# Altium PCB ESP12_DEV_01.PcbDoc (continued)
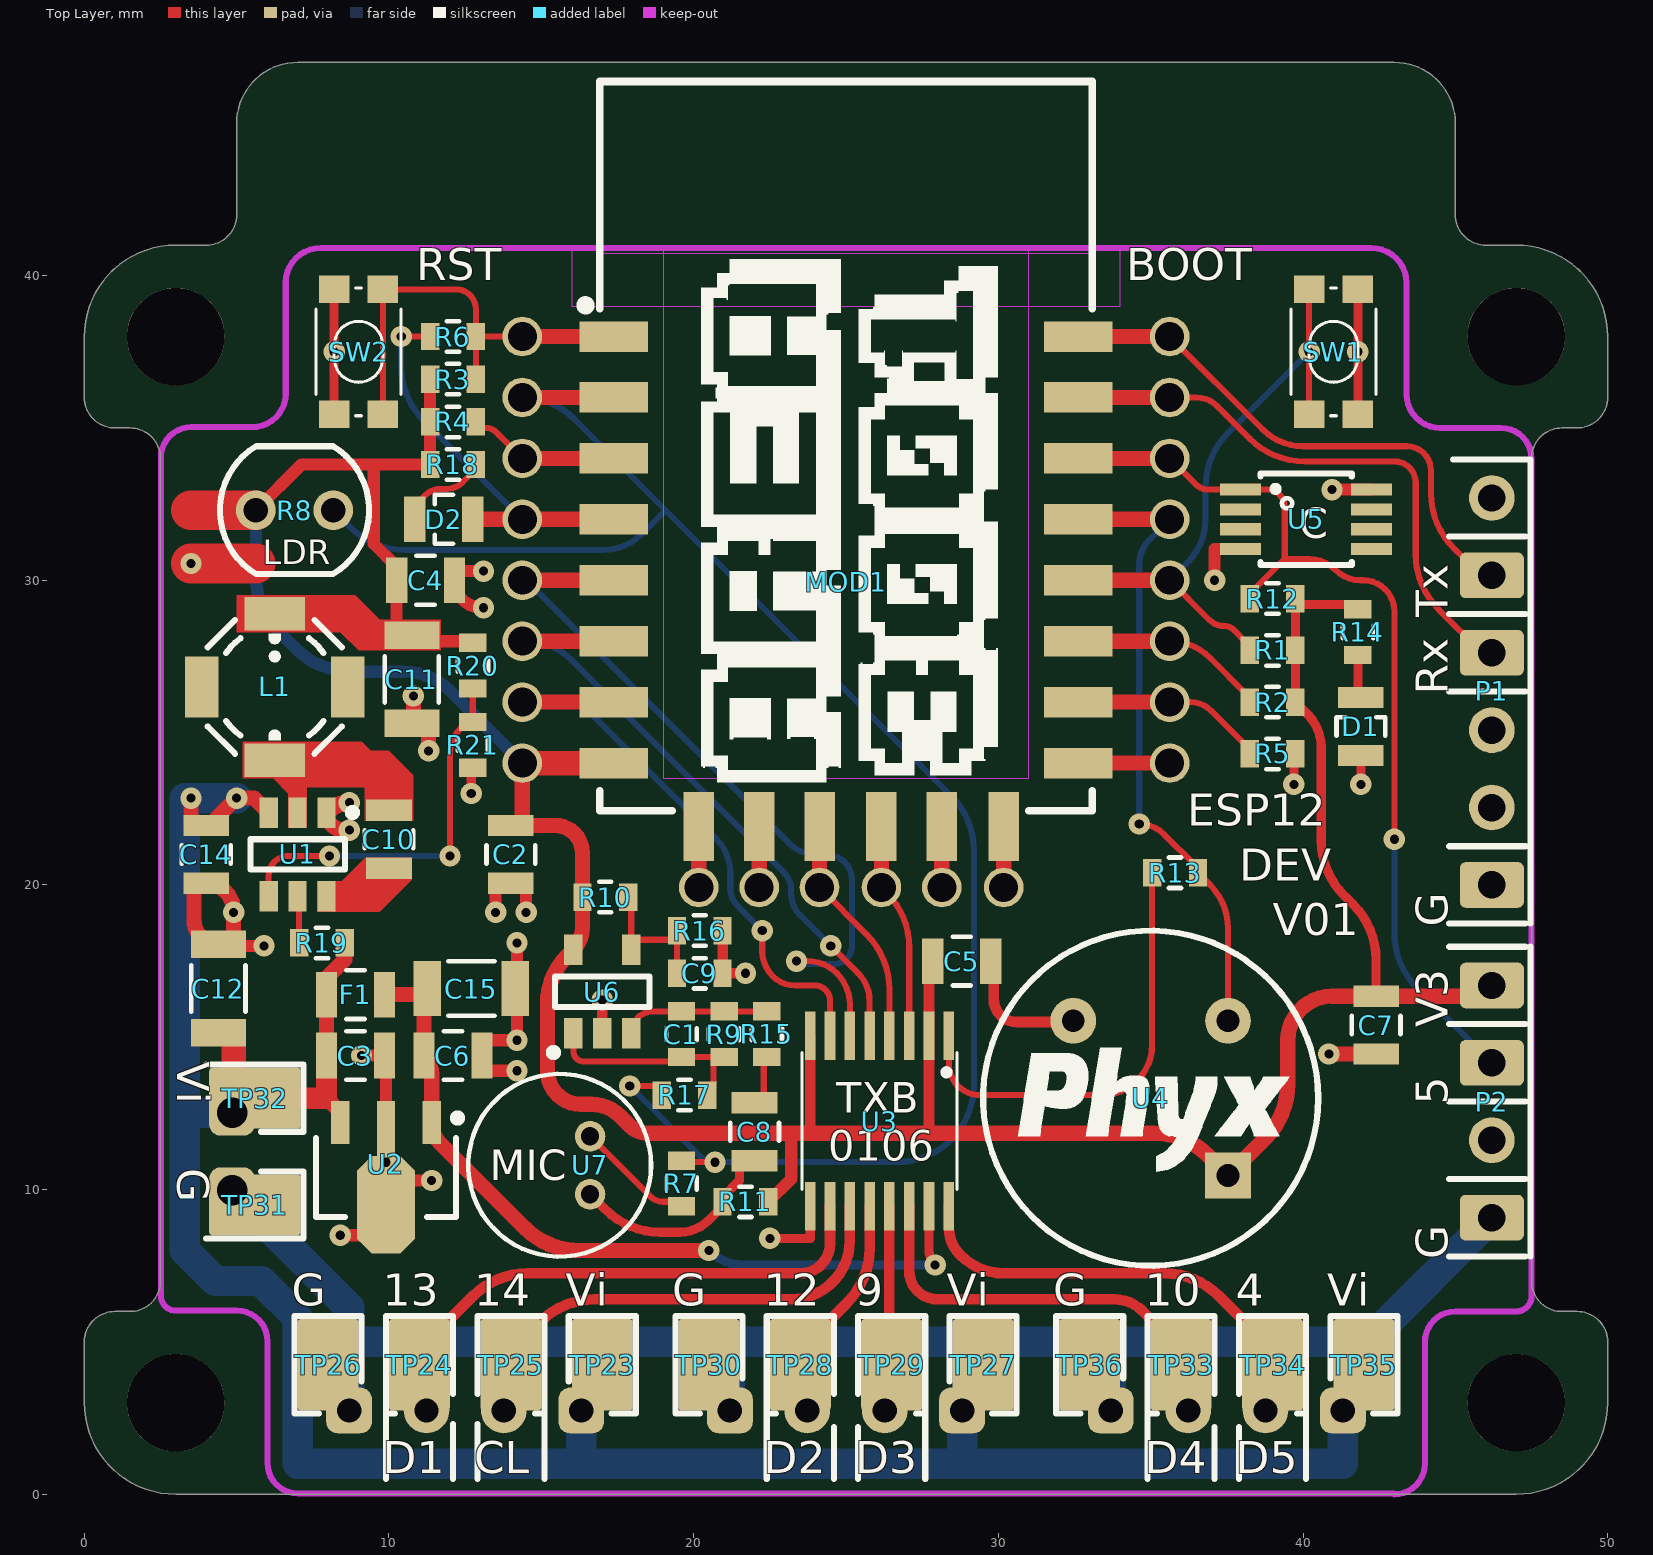
[diagram p0: Top Layer view]
## Part data
C1: library part "CAP # 12pF 50V 0402", "Capacitor Ceramic"
C2 C8: library part "CAP # 10uF 10V 0805", "Capacitor Ceramic"
C3 C4 C5 C6 C7 C10 C14: library part "CAP # 100nF 25V 0805", "Capacitor Ceramic"
C9: library part "CAP # 1uF 16V 0603", "Capacitor Ceramic"
C11 C12 C15: library part "CAP # 22uF 16V 1206 X5R", "Capacitor Ceramic"
D1 D2: library part "LED # Green 0805", "=Description"
F1: library part "FER # 80R 5A 0805 0R01"
L1: library part "IND # 3u3H 5.2x5.2mm"
MOD1: library part "WiFi # MOD ESP-12E", "=Description"
P1: library part "Pin Header 2.54mm 6way"
P2: library part "Pin Header 2.54mm 4way"
R1 R2 R3 R4 R5 R10 R12 R15 R16 R17 R19 R21: library part "RES # 10K 0603"
R6: library part "RES # 100R 0603"
R7: library part "RES # 4K7 0603"
R8: library part "LDR VT90N2", "=Description"
R9: library part "RES # 1M 0603"
R11: library part "RES # 2K2 0603"
R13: library part "RES # 0R 0603"
R14 R18: library part "RES # 1K 0603"
R20: library part "RES # 33K2 0603"
SW1 SW2: library part "SW # KMR4"
TP23 TP24 TP25 TP26 TP27 TP28 TP29 TP30 TP31 TP32 TP33 TP34 TP35 TP36: library part "TP # 2x3mm"
U1: library part "PWR # Buck TPS562209 2A", "=Description"
U2: library part "LDO # 5V 100mA", "LDO 5V 100mA"
U3: library part "LVL # 6ch TXB0104PW", "=Description"
U4: library part "PIR 5m PW EKMC1601113", "=Description"
U5: library part "TMP # DS18B20U", "=Description"
U6: library part "OP # OPA344", "=Description"
U7: library part "MIC ELEC KECG2742PBL", "=Description"

## Free pads (board coordinates)
  round 3.2 hole 3.2 unplated mask+1.25: 0(3,3) 0(3,38) 0(47,3) 0(47,38)
  round 1.3 hole 0.95 paste-5: 0(14.375,34) 0(14.375,24) 0(14.375,26) 0(14.375,28) 0(14.375,30) 0(14.375,32) 0(14.375,38) 0(14.375,36) 0(20.169,19.917) 0(22.15,19.917) 0(24.131,19.917) 0(26.163,19.917) 0(28.145,19.917) 0(30.177,19.917) 0(35.625,24) 0(35.625,26) 0(35.625,28) 0(35.625,30) 0(35.625,32) 0(35.625,34) 0(35.625,36) 0(35.625,38)
  rrect25% 2.1x1.5 smd paste-5: 1(46.2,9.08) 1(46.2,14.16) 1(46.2,16.7) 1(46.2,20) 1(46.2,27.62) 1(46.2,30.16)
  rrect50% 1.5x1.5 hole 0.8: 2(8.69,2.75) 2(21.19,2.75) 2(33.69,2.75) 5(16.31,2.75) 5(28.81,2.75) 5(41.31,2.75)
  rrect50% 1.5x1.5 hole 1: 3(4.85,12.52) 4(4.85,9.98)
  round 1.5 hole 0.8: 3(11.23,2.75) 3(23.73,2.75) 3(36.23,2.75) 4(13.77,2.75) 4(26.27,2.75) 4(38.77,2.75)

## Via types
v1: diameter 0.7, hole 0.3, Top Layer to Bottom Layer, 44 vias

## Nets (pads, with @x,y where several pads share a name; then routed paths per layer and width w, separated by ;. In a path a pad name is that pad's centre, name@x,y a point inside that pad or via, vN(x,y) a via of type N, cw(c..) or ccw(c..) an arc to the next point about the centre after c; other vN are vias at no path point)
3V3: C2.1 C4.1 C5.1 C7.1 C11.1 L1.2 MOD1.8 P2.1 pad.0@14.375,24 pad.1@46.2,16.7 R1.1 R2.1 R3.1 R4.1 R8.1 R10.2 R11.1 R12.1 R14.1 R18.1 R20.1 U3.2 U3.8 U4.1 U6.5 | length 112.8
  Top Layer w0.3: R12.1 39.75,29.25 39.7,29.2 R12.1@39.75,29.2 ; R14.1 41.65,29.2 R12.1@39.75,29.2 ; C7.1 42.4,17.548 ccw(c39.86,17.548) 41.656,19.344 41.344,19.656 cw(c43.14,21.452) 40.6,21.452 40.6,24.5 ccw(c39.031,24.5) 40.141,25.609 R2.1 R1.1 R12.1@39.75,29.2
  Top Layer w0.35: 23.825,11.85 U3.8 ; 27.725,11.85 U3.2 27.725,17.125 C5.1@28,17.4
  Top Layer w0.4: R8.1 7.13,33.8 9.5,33.8 ; C11.1@10.8,28.1 10.8,28.25 C11.1 10.55,28.4 10.3,28.4 10.25,28.45 C4.1 10.25,30.45 9.5,31.2 9.5,33.8 ; C11.1@10.9,28 12.7,28 R20.1 ; R3.1 R4.1 R18.1 9.5,33.8 ; R11.1 23.2,10.35 23.2,11.85
  Top Layer w0.5: C2.1 C2.1@14.375,21.95 ; pad.0@14.375,24 C2.1@14.375,21.95 ; 17.6,12.4 17.9,12.1 ccw(c18.504,12.704) 18.504,11.85 23.2,11.85 23.825,11.85 27.725,11.85 35.098,11.85 cw(c35.098,9.31) 36.894,11.106 U4.1 38.756,11.676 ccw(c36.96,13.472) 39.5,13.472 39.5,14.9 cw(c40.95,14.9) 39.737,15.695 cw(c40.95,14.9) 40.95,16.35 C7.1 45.85,16.35 P2.1 ; 17.599,12.401 ccw(c16.634,11.434) 16.634,12.8 16.3,12.8 cw(c16.3,13.9) 15.2,13.9 15.2,16.1 cw(c17.433,16.1) 15.854,17.679 U6.5 ccw(c15.326,18.599) 16.35,18.599 R10.2 16.35,21.05 ccw(c15.45,21.05) 15.45,21.95 C2.1@14.375,21.95
  Top Layer w0.8: pad.0@14.375,24 MOD1.8
  Top Layer w1.3: 3.5,32.3 R8.1
  Bottom Layer w0.4: R8.1 5.63,30.122 ccw(c8.17,30.122) 6.374,28.326 6.956,27.744 ccw(c8.752,29.54) 8.752,27 10.473,27 cw(c10.473,24.823) 12.013,26.362 pad.0@14.375,24
5V: C6.1 C15.1 F1.2 U2.1 U3.15 | length 26.4
  Top Layer w0.3: C15.1@11.05,16.4 C15.1 C15.1@11.15,16.5 ; U3.15 27.725,8.008 ccw(c28.408,8.008) v1(27.925,7.525)
  Top Layer w0.5: F1.2 C15.1@11.05,16.4 ; C15.1@11.15,16.5 C6.1 cw(c10.546,13.796) 11.4,13.796 U2.1 ccw(c12.366,12.2) 11.683,11.517 14.456,8.744 ccw(c16.252,10.54) 16.252,8 v1(20.5,8)
  Bottom Layer w0.3: v1(20.5,8) ccw(c21.647,9.147) 21.647,7.525 v1(27.925,7.525)
ADC: MOD1.2 pad.0@14.375,36 R7.1 R8.2 R17.1 | length 60.1
  Top Layer w0.2: v1(17.9,13.4) 18.95,13.4 R17.1 ; R7.1 ccw(c19.65,10.95) 19.65,10.9 v1(20.7,10.9)
  Top Layer w0.5: pad.0@14.375,36 MOD1.2
  Bottom Layer w0.2: R8.2 8.726,31.744 ccw(c10.522,33.54) 10.522,31 17.068,31 ccw(c17.068,32.707) 18.274,31.499 ; pad.0@14.375,36 cw(c14.375,33.586) 16.082,35.293 17.5,33.875 19.075,32.3 ; v1(17.9,13.4) 20.188,11.112 ccw(c20.7,11.624) v1(20.7,10.9) 26.66,10.9 ccw(c26.66,13.44) 29.2,13.44 29.2,21.123 ccw(c26.66,21.123) 28.456,22.919 19.075,32.3 ; 18.275,31.5 19.075,32.3
EN: MOD1.3 pad.0@14.375,34 R4.2 | length 5
  Top Layer w0.2: R4.2 12.953,35.097 ccw(c13.188,35.332) 13.188,35 cw(c13.188,34.547) 13.507,34.868 13.6,34.775 pad.0@14.375,34
  Top Layer w0.5: pad.0@14.375,34 MOD1.3
FTDI.C\T\S\: P1.2
FTDI.R\T\S\: P1.6
FTDI.RXD: MOD1.22 P1.5 pad.0@35.625,38 pad.1@46.2,30.16 | length 17.8
  Top Layer w0.2: pad.0@35.625,38 38.677,34.948 ccw(c40,36.271) 40,34.4 43.4,34.4 cw(c43.4,33.6) 44.2,33.6 44.2,32.852 ccw(c46.74,32.852) 44.944,31.056 45.3,30.7 45.66,30.7 P1.5
  Top Layer w0.5: MOD1.22 pad.0@35.625,38
FTDI.TXD: MOD1.21 P1.4 pad.0@35.625,36 pad.1@46.2,27.62 | length 18.9
  Top Layer w0.2: pad.0@35.625,36 36.5,36 cw(c36.5,35.034) 37.182,35.718 38.256,34.644 ccw(c40.052,36.44) 40.052,33.9 43,33.9 cw(c43,33.2) 43.7,33.2 43.7,30.852 ccw(c46.24,30.852) 44.444,29.056 45.88,27.62 P1.4
  Top Layer w0.5: MOD1.21 pad.0@35.625,36
FTDI.VCC: P1.3
GND: C2.2 C3.2 C4.2 C5.2 C6.2 C7.2 C9.2 C11.2 C12.2 C14.1 C15.2 D1.2 MOD1.15 P1.1 P2.4 pad.0@35.625,24 pad.1@46.2,9.08 pad.1@46.2,20 pad.2 pad.4@4.85,9.98 R5.2 R7.2 R16.1 R21.1 SW1.2 SW2.2 TP26.1 TP30.1 TP31.1 TP36.1 U1.1 U2.2 U3.9 U4.3 U5.4 U5.8 U6.2 U7.2 | length 118.6
  Top Layer w0.2: U7.2 18.573,9.777 ccw(c19,10.204) 18.876,9.613 ccw(c19,10.204) 19,9.6 19.238,9.6 cw(c19.238,9.088) R7.2
  Top Layer w0.3: SW2.2@8.2,35.45 SW2.2@8.2,39.55 ; v1(12.7,23) R21.1@12.7,23.85 ; v1(22.5,8.4) 23.825,8.4 U3.9 U3.9@23.825,9.6 ; v1(39.7,23.3) 39.7,24.25 R5.2 ; SW1.2@41.8,35.45 SW1.2@41.8,39.55 ; v1(41.9,23.3) D1.2
  Top Layer w0.35: U6.2 v1(17,16.225) ; R16.1 C9.2 v1(21.7,17.1) ; C5.2@29.85,17.5 29.85,16.25 ccw(c30.6,16.25) 30.6,15.5 ; 30.7,15.5 32.42,15.5 ccw(c32.42,15.54) U4.3
  Top Layer w0.4: C12.2 4.45,18 v1(5.9,18) ; v1(8.4,8.5) 9.9,8.5 9.9,9.5 9.9,10.3 v1(11.4,10.3) ; v1(9.1,14.4) C3.2 9.9,14.4 U2.2@9.9,12 ; v1(13.1,29.1) 13.05,29.1 cw(c13.05,30) C4.2 12.15,30.3 v1(13.1,30.3) ; v1(13.5,19.1) 13.5,20.05 C2.2 ; C15.2 C15.2@14.2,16.6 ; v1(14.2,13.9) 13.05,13.9 C6.2 13.05,14.9 v1(14.2,14.9) C15.2@14.2,16.6 ; v1(14.2,18.1) C15.2@14.2,16.6 ; v1(14.5,19.1) C2.2@14.5,20.05 ; v1(37.1,30) 37.1,31.025 U5.4 ; v1(40.95,32.975) U5.8
  Top Layer w0.5: U1.1 ccw(c8.525,22.375) 8.525,21.8 v1(8.7,21.8) ; C11.2 C11.2@10.8,25.3 ; v1(10.8,26.2) C11.2@10.8,25.3 ; v1(11.3,24.4) 11.3,25.3 C11.2@10.8,25.3 ; MOD1.15 pad.0@35.625,24 ; v1(40.85,14.45) C7.2 ; 3.6,18.85 ccw(c4.4,18.85) C12.2 4.9,18.05 v1(4.9,19.1) 4.9,19.15 ccw(c4,19.15) C14.1 3.6,20.05 3.6,18.85
  Top Layer w0.55: U1.1 7.974,22.399 cw(c8.7,21.674) v1(8.7,22.7)
  Top Layer w1.3: v1(3.5,30.55) 5.63,30.55
  Bottom Layer w1: pad.4@4.85,9.98 8.69,6.14 pad.2@8.69,2.75 ; 8.69,5 21.19,5 ; pad.2@21.19,2.75 21.19,5 ; pad.2@33.69,2.75 33.69,5 ; P2.4 42.12,5 33.69,5 ; 21.19,5 33.69,5
  other v1: 9.9,10.9 8.2,37.5 41.8,37.5
GPIO0: MOD1.18 pad.0@35.625,30 R1.2 SW1.1 | length 19.9
  Top Layer w0.2: pad.0@35.625,30 36.931,28.694 ccw(c37.4,29.164) 37.4,28.5 cw(c37.4,28.017) 37.741,28.359 38.144,27.956 cw(c37.888,27.7) R1.2 ; SW1.1@40.2,35.45 v1(40.2,37.5) SW1.1@40.2,39.55
  Top Layer w0.5: MOD1.18 pad.0@35.625,30
  Bottom Layer w0.2: pad.0@35.625,30 36.217,30.592 ccw(c34.808,32) 36.8,32 36.8,33.048 cw(c39.34,33.048) 37.544,34.844 v1(40.2,37.5)
GPIO2: MOD1.17 pad.0@35.625,28 R2.2 | length 6.4
  Top Layer w0.2: pad.0@35.625,28 cw(c35.625,26.129) 36.948,27.452 38.144,26.256 cw(c37.888,26) R2.2
  Top Layer w0.5: MOD1.17 pad.0@35.625,28
GPIO4: MOD1.19 pad.0@35.625,32 R13.2 U4.2 | length 21.2
  Top Layer w0.2: v1(34.625,22) cw(c34.625,20.853) 34.627,22 cw(c34.625,20.853) 35.436,21.664 36.444,20.656 cw(c36.188,20.4) R13.2 36.95,20 cw(c35.526,18.576) 37.54,18.576 U4.2
  Top Layer w0.5: MOD1.19 pad.0@35.625,32
  Bottom Layer w0.2: v1(34.625,22) 34.625,30.5 cw(c35.832,30.5) 34.978,31.353 pad.0@35.625,32
GPIO5: MOD1.20 P2.2 pad.0@35.625,34 pad.1@46.2,14.16 R12.2 U5.1 | length 31.4
  Top Layer w0.2: pad.0@35.625,34 36.473,33.152 ccw(c36.9,33.579) 36.9,32.975 U5.1 38.825,32.975 cw(c38.825,32.4) 39.4,32.4 39.4,30.7 ; R12.2 38.25,29.55 39.4,30.7 ; 42.7,29.7 ccw(c41.976,28.976) 41.976,30 41.895,30 cw(c41.895,31.195) 41.05,30.35 ccw(c40.205,29.505) 40.205,30.7 39.4,30.7 ; 42.7,29.7 cw(c41.976,28.976) 43,28.976 v1(43,21.5)
  Top Layer w0.5: MOD1.20 pad.0@35.625,34
  Bottom Layer w0.2: v1(43,21.5) 43,18.412 ccw(c45.54,18.412) 43.744,16.616 P2.2
GPIO9: MOD1.11 pad.0@24.131,19.917 U3.4 | length 7.7
  Top Layer w0.2: pad.0@24.131,19.917 25.681,18.368 cw(c23.885,16.572) 26.425,16.572 U3.4
  Top Layer w0.5: pad.0@24.131,19.917 MOD1.11
GPIO10: MOD1.12 pad.0@26.163,19.917 U3.3 | length 7.1
  Top Layer w0.2: pad.0@26.163,19.917 26.331,19.75 cw(c24.535,17.954) 27.075,17.954 27.075,15.963 U3.3
  Top Layer w0.5: pad.0@26.163,19.917 MOD1.12
GPIO16: D2.2 MOD1.4 pad.0@14.375,32 R6.2 | length 13.2
  Top Layer w0.2: v1(10.4,38) R6.2
  Top Layer w0.5: D2.2@12.75,32.1 12.85,32 14.375,32 MOD1.4
  Bottom Layer w0.2: v1(10.4,38) 10.4,37.027 ccw(c12.94,37.027) 11.144,35.231 pad.0@14.375,32
HSPI.CLK: MOD1.5 pad.0@14.375,30 U3.6 | length 25.9
  Top Layer w0.2: v1(23.375,17.5) 23.734,17.5 cw(c23.734,16.134) 24.7,17.1 cw(c23.674,16.074) 25.125,16.074 U3.6
  Top Layer w0.5: pad.0@14.375,30 MOD1.5
  Bottom Layer w0.2: pad.0@14.375,30 14.5,30 23.146,21.354 ccw(c24,22.207) 24,21 24.346,21 cw(c24.346,20.146) 24.949,20.751 ; v1(23.375,17.5) 23.475,17.4 24.6,17.4 ccw(c24.6,18) 25.2,18 25.2,20.146 ccw(c24.346,20.146) 24.95,20.75
HSPI.CS: MOD1.16 pad.0@35.625,26 R5.1 | length 6.4
  Top Layer w0.2: pad.0@35.625,26 36.3,26 cw(c36.3,25.034) 36.982,25.718 ; 36.983,25.717 38.25,24.45 R5.1
  Top Layer w0.5: MOD1.16 pad.0@35.625,26
HSPI.MISO: MOD1.6 pad.0@14.375,28 U3.5 | length 21
  Top Layer w0.2: v1(24.5,18) 25.4,17.1 cw(c24.495,16.195) 25.775,16.195 U3.5
  Top Layer w0.5: pad.0@14.375,28 MOD1.6
  Bottom Layer w0.2: pad.0@14.375,28 14.491,28 cw(c14.491,25.866) 16,27.375 22.935,20.44 cw(c22.295,19.8) 23.2,19.8 23.2,19.724 ccw(c24.224,19.724) 23.5,19 v1(24.5,18)
HSPI.MOSI: MOD1.7 pad.0@14.375,26 U3.7 | length 19.7
  Top Layer w0.2: v1(22.25,18.5) 22.25,17.845 ccw(c23.445,17.845) 22.6,17 ccw(c23.324,17.724) 23.324,16.7 23.975,16.7 cw(c23.975,16.2) 24.475,16.2 U3.7
  Top Layer w0.5: pad.0@14.375,26 MOD1.7
  Bottom Layer w0.2: pad.0@14.375,26 15.5,26 cw(c15.5,24.189) 16.78,25.47 20.74,21.51 ; 20.741,21.509 cw(c19.631,20.4) 21.2,20.4 21.2,19.9 ccw(c22.045,19.9) 21.447,19.303 v1(22.25,18.5)
NetC1_1: C1.1 R9.1 R17.2 U6.1 | length 6.8
  Top Layer w0.2: U6.1 16.05,14.55 ccw(c16.4,14.55) 16.4,14.2 19.45,14.2 ccw(c19.45,14.35) C1.1 20.65,14.35 20.65,13.45 R17.2@20.5,13.3 ; R9.1@20.75,14.35 R9.1
NetC1_2: C1.2 R9.2 R15.1 U6.3 | length 4.9
  Top Layer w0.2: U6.3 cw(c18.675,15.125) 18.675,15.85 C1.2 R9.2 R15.1
NetC8_1: C8.1 R15.2 | length 1.3
  Top Layer w0.2: C8.1@22.3,13.15 22.3,14.25 cw(c22.4,14.25) R15.2
NetC8_2: C8.2 R11.2 U7.1 | length 7.5
  Top Layer w0.3: U7.1 17.106,9.344 ccw(c18.902,11.14) 18.902,8.6 19.534,8.6 ccw(c19.534,9.966) 20.5,9 20.844,9.344 ccw(c20.588,9.6) R11.2 20.95,9.75 21.5,10.3 21.5,10.901 22.017,10.901 cw(c22.3,10.105) C8.2@22.3,10.95
NetC9_1: C9.1 R10.1 R16.2 U6.4 | length 4.4
  Top Layer w0.2: R10.1 17.95,19.5 U6.4@17.95,18.2 ; U6.4 U6.4@17.95,18.2 ; C9.1 19.45,18.2 U6.4@17.95,18.2
NetC10_1: C10.1 L1.1 U1.2
NetC10_2: C10.2 U1.6
NetD1_1: D1.1 R14.2 | length 1.3
  Top Layer w0.3: D1.1@41.8,26.25 R14.2
NetD2_1: D2.1 R18.2 | length 2.9
  Top Layer w0.2: D2.1@10.85,32.1 10.85,32.45 11.2,32.8 cw(c11.683,32.317) 11.683,33 11.9,33 ccw(c11.9,33.724) 12.412,33.212 12.85,33.65 R18.2
NetR13_1: R13.1 U3.1 | length 15.3
  Top Layer w0.2: U3.1@28.35,15.55 28.35,15.075 U3.1 28.375,14.125 ccw(c29.4,14.125) 28.4,13.9 ccw(c29.4,14.125) 29.175,13.125 ccw(c29.4,14.125) 29.4,13.1 33.4,13.1 ccw(c33.4,14.75) 35.05,14.75 R13.1
NetR19_1: R19.1 U1.5 | length 1.5
  Top Layer w0.2: U1.5 7.05,19.575 R19.1
NetR20_2: R20.2 R21.2 U1.4 | length 12.8
  Top Layer w0.2: U1.4 6.05,20.3 cw(c6.7,20.3) 6.074,20.474 cw(c6.7,20.3) 6.526,20.926 cw(c6.7,20.3) 6.7,20.95 v1(8.05,20.95) ; v1(12,20.95) 12,24.3 cw(c13.207,24.3) 12.353,25.153 R21.2@12.409,25.209 ; R21.2@12.409,25.209 cw(c12.75,24.867) R21.2 ; R21.2@12.65,25.45 12.75,25.55 R20.2
  Bottom Layer w0.2: v1(8.05,20.95) v1(12,20.95)
R\S\T\: MOD1.1 pad.0@14.375,38 R3.2 R6.1 SW2.1 | length 14.6
  Top Layer w0.2: SW2.1@10,35.25 9.8,35.45 9.8,39.55 12.2,39.55 cw(c12.2,38.9) 12.85,38.9 R6.1 ; R3.2 R6.1 ; pad.0@14.375,38 R6.1
  Top Layer w0.5: pad.0@14.375,38 MOD1.1
SPI.CLK: MOD1.14 pad.0@30.177,19.917 | length 2
  Top Layer w0.5: pad.0@30.177,19.917 MOD1.14
SPI.INT: MOD1.13 pad.0@28.145,19.917 | length 2
  Top Layer w0.5: pad.0@28.145,19.917 MOD1.13
SPI.MISO: MOD1.10 pad.0@22.15,19.917 | length 2
  Top Layer w0.5: pad.0@22.15,19.917 MOD1.10
SPI.MOSI: MOD1.9 pad.0@20.169,19.917 | length 2
  Top Layer w0.5: pad.0@20.169,19.917 MOD1.9
STR1.CLK: pad.4@13.77,2.75 TP25.1 U3.11 | length 14.3
  Top Layer w0.35: TP25.1 cw(c15.086,4.25) 14.318,5.018 14.956,5.656 cw(c16.752,3.86) 16.752,6.4 23.2,6.4 ccw(c23.2,8.325) 25.125,8.325 U3.11
STR1.DAT: pad.3@11.23,2.75 TP24.1 U3.10 | length 16.7
  Top Layer w0.35: TP24.1 11,4.75 12.756,6.506 cw(c14.552,4.71) 14.552,7.25 23.5,7.25 ccw(c23.5,8.225) 24.475,8.225 U3.10
STR2.DAT: pad.3@23.73,2.75 TP28.1 U3.12 | length 6
  Top Layer w0.35: TP28.1 23.5,4.75 25.031,6.281 ccw(c23.235,8.077) 25.333,6.646 ccw(c23.235,8.077) 25.775,8.077 U3.12
STR3.DAT: pad.4@26.27,2.75 TP29.1 U3.13 | length 5.2
  Top Layer w0.35: U3.13 26.425,4.431 ccw(c26.681,4.431) TP29.1
STR4.DAT: pad.3@36.23,2.75 TP33.1 U3.14 | length 12.5
  Top Layer w0.35: U3.14 27.075,7.325 ccw(c28,7.325) 28,6.4 33.793,6.4 cw(c33.793,5.055) 34.744,6.006 35.753,4.997 cw(c35.155,4.4) TP33.1@36,4.4
STR5.DAT: pad.4@38.77,2.75 TP34.1 U3.16 | length 13.5
  Top Layer w0.35: U3.16 28.375,8.755 ccw(c29.655,8.755) 28.75,7.85 ccw(c30.199,9.299) 30.199,7.25 35.448,7.25 cw(c35.448,4.71) 37.244,6.506 38.646,5.104 cw(c37.793,4.25) TP34.1
VIN: C3.1 C12.1 C14.2 F1.1 pad.3@4.85,12.52 pad.5 R19.2 TP23.1 TP27.1 TP32.1 TP35.1 U1.3 U2.3 | length 82.4
  Top Layer w0.5: v1(3.5,22.85) 3.5,21.95 C14.2 4.1,21.95 v1(5,22.85) 5.575,22.85 U1.3 ; 7.95,13 8.4,12.55 U2.3 ; C3.1 F1.1 7.95,16.95 8.55,17.55 R19.2
  Top Layer w0.7: TP32.1 7.95,13 C3.1
  Top Layer w0.8: C12.1 4.9,15.15 TP32.1@4.9,13
  Bottom Layer w1: pad.3@4.85,12.52 3.3,12.52 ; v1(5,22.85) 3.3,22.85 3.3,12.52 ; pad.5@16.31,2.75 16.31,1 ; pad.5@28.81,2.75 28.81,1 ; pad.5@41.31,2.75 41.31,1 28.81,1 ; 3.3,12.52 3.3,8 4.3,7 5.8,7 7,5.8 7,1 16.31,1 ; 16.31,1 28.81,1
pads on no net: L1.3 L1.4 P2.3 U5.2 U5.3 U5.5 U5.6 U5.7

## Polygon pours and split planes (outlines as drawn)
GND on Bottom Layer "B_GND" (solid, remove dead copper, pour order 2): 0,0 0,47 50,47 50,29 50,0

## Keep-outs
Top Layer:
  rectangle: 19,23.5 31,40.905
  rectangle: 16,39 34,40.91
Keep-Out Layer:
  lines w0.2: 2.51,6.525 ccw(c3.01,6.525) 3.01,6.025 5.01,6.025 cw(c5.01,5.025) 6.01,5.025 6.01,1.025 ccw(c7.01,1.025) 7.01,0.025 42.975,0.025 cw(c42.975,0) 43,0 ccw(c43,1) 44,1 44,5 cw(c45,5) 45,6 47,6 ccw(c47,6.5) 47.5,6.5 47.5,34 ccw(c46.5,34) 46.5,35 44.5,35 cw(c44.5,36.1) 43.4,36.1 43.4,39.754 ccw(c42.254,39.754) 43.064,40.564 ccw(c42.23,39.73) 42.23,40.91 7.77,40.91 ccw(c7.77,39.73) 6.936,40.564 ccw(c7.72,39.78) 6.611,39.78 6.611,36.126 cw(c5.51,36.126) 5.51,35.025 3.51,35.025 ccw(c3.51,34.025) 2.51,34.025 2.51,6.525
  text ".Layer_Name" at 305.5,-23 h3.5

## Other copper
Top Layer:
  region net 3V3: 5,29.5 5,28.3 8.4,28.3 9,27.7 11.7,27.7 11.7,28.7 9.7,28.7 8.9,29.5
  region net NetC10_1: 7.3,21.9 7.3,23.2 9.2,23.2 9.2,22.1 10.8,22.1 10.8,23.6 10,24.4 9.4,24.4 9.1,24.7 5.2,24.7 5.2,23.5 6.2,23.5 6.7,23 6.7,21.9
  region net NetC10_2: 7.65,20.125 8.45,20.125 9.225,20.9 10.75,20.9 10.75,20.175 9.7,19.125 7.65,19.125
  text ".Layer_Name" at 305.5,-23 h3.5
Bottom Layer:
  text ".Layer_Name" at 305.5,-23 h3.5

## Silkscreen, mask and mechanical layers (free items; w line width, h text height)
Top Overlay:
  drawing of 36 lines, arcs and shapes, not listed
  text "RST" at 10.9,39.5 h1.8
  text "BOOT" at 34.2,39.5 h1.8
  text "C" at 39.875,31.375 h1
  text "LDR" at 5.85,30.525 h0.8
  text "Tx" at 45.1,28.79 h1.8 r90
  text "Rx" at 45.1,26.25 h1.8 r90
  text "ESP12" at 36.2,21.6 h1.8
  text "DEV" at 37.9,19.8 h1.8
  text "G" at 45.1,18.63 h1.8 r90
  text "V01" at 39,18 h1.8
  text "V3" at 45.1,15.33 h1.8 r90
  text "Vi" at 2.7,14.2 h1.8 r270
  text "5" at 45.1,12.79 h1.8 r90
  text "TXB" at 24.675,12.525 h1
  text "0106" at 24.425,10.95 h1
  text "G" at 2.7,10.7 h1.8 r270
  text "MIC" at 13.3,10.3 h1
  text "G" at 45.1,7.71 h1.8 r90
  text "G" at 6.8,5.85 h1.8
  text "13" at 9.8,5.85 h1.8
  text "14" at 12.8,5.85 h1.8
  text "Vi" at 15.8,5.85 h1.8
  text "G" at 19.3,5.85 h1.8
  text "12" at 22.3,5.85 h1.8
  text "9" at 25.3,5.85 h1.8
  text "Vi" at 28.3,5.85 h1.8
  text "G" at 31.8,5.85 h1.8
  text "10" at 34.8,5.85 h1.8
  text "4" at 37.8,5.85 h1.8
  text "Vi" at 40.8,5.85 h1.8
  text "D1" at 9.8,0.35 h1.8
  text "CL" at 12.8,0.35 h1.8
  text "D2" at 22.3,0.35 h1.8
  text "D3" at 25.3,0.35 h1.8
  text "D4" at 34.8,0.35 h1.8
  text "D5" at 37.8,0.35 h1.8
  text ".Layer_Name" at 305.5,-23 h3.5
Bottom Overlay:
  text "RST" at 20.575,37.525 h1.8
  text "Tx" at 33.95,37.525 h1.8
  text "ADC" at 20.575,35.525 h1.8
  text "Rx" at 33.95,35.525 h1.8
  text "EN" at 19.325,33.525 h1.8
  text "05" at 33.95,33.525 h1.8
  text "-" at 44.625,32.225 h1.8
  text "16" at 19.325,31.525 h1.8
  text "04" at 33.95,31.525 h1.8
  text "Tx" at 44.625,29.685 h1.8
  text "14" at 19.325,29.525 h1.8
  text "00" at 33.95,29.525 h1.8
  text "12" at 19.325,27.525 h1.8
  text "02" at 33.95,27.525 h1.8
  text "Rx" at 44.625,27.145 h1.8
  text "13" at 19.325,25.525 h1.8
  text "15" at 33.95,25.525 h1.8
  text "-" at 44.625,24.605 h1.8
  text "3V3" at 20.575,23.525 h1.8
  text "GND" at 33.95,23.525 h1.8
  text "-" at 44.625,22.065 h1.8
  text "-" at 19.694,21.592 h1.8 r270
  text "-" at 21.675,21.592 h1.8 r270
  text "09" at 23.656,21.592 h1.8 r270
  text "10" at 25.688,21.592 h1.8 r270
  text "-" at 27.67,21.592 h1.8 r270
  text "-" at 29.702,21.592 h1.8 r270
  text "GND" at 44.625,19.525 h1.8
  text "3V3" at 44.625,16.225 h1.8
  text "05" at 44.625,13.685 h1.8
  text "12V" at 10.275,12.045 h1.8
  text "-" at 44.625,11.145 h1.8
  text "GND" at 10.35,9.505 h1.8
  text "GND" at 44.625,8.605 h1.8
  text "13" at 10.755,5.925 h1.8 r270
  text "14" at 13.295,5.925 h1.8 r270
  text "12" at 23.255,5.925 h1.8 r270
  text "09" at 25.795,5.925 h1.8 r270
  text "10" at 35.755,5.925 h1.8 r270
  text "04" at 38.295,5.925 h1.8 r270
  text ".Layer_Name" at 305.5,-23 h3.5
Top Paste:
  text ".Layer_Name" at 305.5,-23 h3.5
Bottom Paste:
  text ".Layer_Name" at 305.5,-23 h3.5
Top Solder:
  region: 48.5,7 47.5,7 47.5,5.5 48.5,5.5
  rectangle: 1.5,5.5 2.5,7
  region: 6,1 cw(c5,1) 5,0 1,0 cw(c1,1) 0,1 0,5 cw(c1,5) 1,6 5,6 cw(c5,5) 6,5
  region: 50,1 cw(c49,1) 49,0 45,0 cw(c45,1) 44,1 44,5 cw(c45,5) 45,6 49,6 cw(c49,5) 50,5
  region: 6.5,36.54 6.5,40.5 ccw(c5,40.5) 5,42 cw(c4,42) 4,41 1,41 ccw(c1,40) 0,40 0,36 ccw(c1,36) 1,35 1.5,35 cw(c1.5,34) 2.5,34 3.96,34 ccw(c3.96,36.54)
  region: 43.5,36.54 43.5,40.5 cw(c45,40.5) 45,42 ccw(c46,42) 46,41 49,41 cw(c49,40) 50,40 50,36 cw(c49,36) 49,35 48.5,35 ccw(c48.5,34) 47.5,34 46.04,34 cw(c46.04,36.54)
  region: 5,38.9 cw(c5,39) 4.9,39 4.9,45.023 cw(c6.977,45.023) 5.508,46.492 cw(c7,45) 7,47.11 43,47.11 cw(c43,45) 44.492,46.492 cw(c43.023,45.023) 45.1,45.023 45.1,39 cw(c45,39) 45,38.9 43.5,38.9 cw(c43.5,39) 43.4,39 43.4,39.73 ccw(c42.23,39.73) 42.23,40.9 7.77,40.9 ccw(c7.77,39.73) 6.6,39.73 6.6,39 cw(c6.5,39) 6.5,38.9
  lines w0.2: 2.5,34 ccw(c2.5,34) 2.5,34 ; 2.5,34 ccw(c1.5,34) 1.5,35 1,35 cw(c1,36) 0,36 0,40 cw(c1,40) 1,41 4,41 ccw(c4,42) 5,42 cw(c5,40.5) 6.5,40.5 6.5,39 6.5,36.54 cw(c3.96,36.54) 3.96,34 2.5,34 ; 2.5,34 2.5,34 ; 2.5,34 2.5,0 47.5,0 47.5,34 ; 47.5,34 cw(c48.5,34) 48.5,35 49,35 ccw(c49,36) 50,36 50,40 ccw(c49,40) 49,41 46,41 cw(c46,42) 45,42 ccw(c45,40.5) 43.5,40.5 43.5,39 43.5,36.54 ccw(c46.04,36.54) 46.04,34 47.5,34 ; 47.5,34 ccw(c47.5,34) 47.5,34 ; 47.5,34 47.5,34
  text ".Layer_Name" at 305.5,-23 h3.5
Bottom Solder:
  drawing of 13 lines, arcs and shapes, not listed
  text ".Layer_Name" at 305.5,-23 h3.5
Drill Guide:
  text ".Layer_Name" at 305.5,-23 h3.5
3D Symbols:
  text ".Layer_Name" at 305.5,-23 h3.5
Outline:
  lines w0.2: 0,3 ccw(c3,3) 3,0 4,0 46,0 47,0 ccw(c47,3) 50,3 50,5 ccw(c49,5) 49,6 48.5,6 cw(c48.5,7) 47.5,7 47.5,34 cw(c48.5,34) 48.5,35 49,35 ccw(c49,36) 50,36 50,38 ccw(c47,38) 47,41 46,41 cw(c46,42) 45,42 45,43 45,45 ccw(c43,45) 43,47 7,47 ccw(c7,45) 5,45 5,43 5,42 cw(c4,42) 4,41 3,41 ccw(c3,38) 0,38 0,36 ccw(c1,36) 1,35 1.5,35 cw(c1.5,34) 2.5,34 2.5,7 cw(c1.5,7) 1.5,6 1,6 ccw(c1,5) 0,5 0,3
Comments:
  text ".Layer_Name" at 305.5,-23 h3.5
Fabrication:
  text "All Dimensions are in mm" at 12,-16 h1
  text ".Layer_Name" at 305.5,-23 h3.5
Placebound Top:
  text ".Layer_Name" at 305.5,-23 h3.5
Placebound Bottom:
  text ".Layer_Name" at 305.5,-23 h3.5
Frame:
  drawing of 15 lines, arcs and shapes, not listed
  text "Document" at 301,-8 h2
  text ".PCB_TITLE" at 302.5,-13.5 h4
  text "Layer Name" at 301,-18 h2
  text "Date" at 301,-28 h2
  text "Rev" at 341,-28 h2
  text ".Print_Date" at 304,-33.5 h3.5
  text ".PCB_REV" at 345.5,-33.5 h4
  text "Desginer" at 251,-38 h2
  text "Document" at 301,-38 h2
  text ".Pcb_File_Name_No_Path" at 302.5,-43 h1.5
  text ".PCB_ENGINEER" at 255.5,-43.5 h4
Assembly Top:
  text ".Layer_Name" at 305.5,-23 h3.5
Assembly Bottom:
  text ".Layer_Name" at 305.5,-23 h3.5
Drill Drawing:
  text ".legend" at 64.5,12.75 h2

## Dimensions
0,-1 to 50,-1 on Fabrication
2.5,7 to 47.5,7 on Fabrication
0,5 to 0,38 on Fabrication
43,45 to 49.367,51.367 on Fabrication
0,0 to 3,3 on Drill Drawing
46,42 to 41.75,41.5 on Fabrication
47,38 to 52.5,43.5 on Fabrication
49,36 to 54,33 on Fabrication
48.5,34 to 45.5,36 on Fabrication
47,3 to 53.5,-0.5 on Fabrication
49,5 to 53,7 on Fabrication
48.5,7 to 45.5,6 on Fabrication
4,0 to 7,47 on Fabrication
3,3 to 0,0 on Drill Drawing